# KiCad board signalmesh.kicad_pcb (continued)
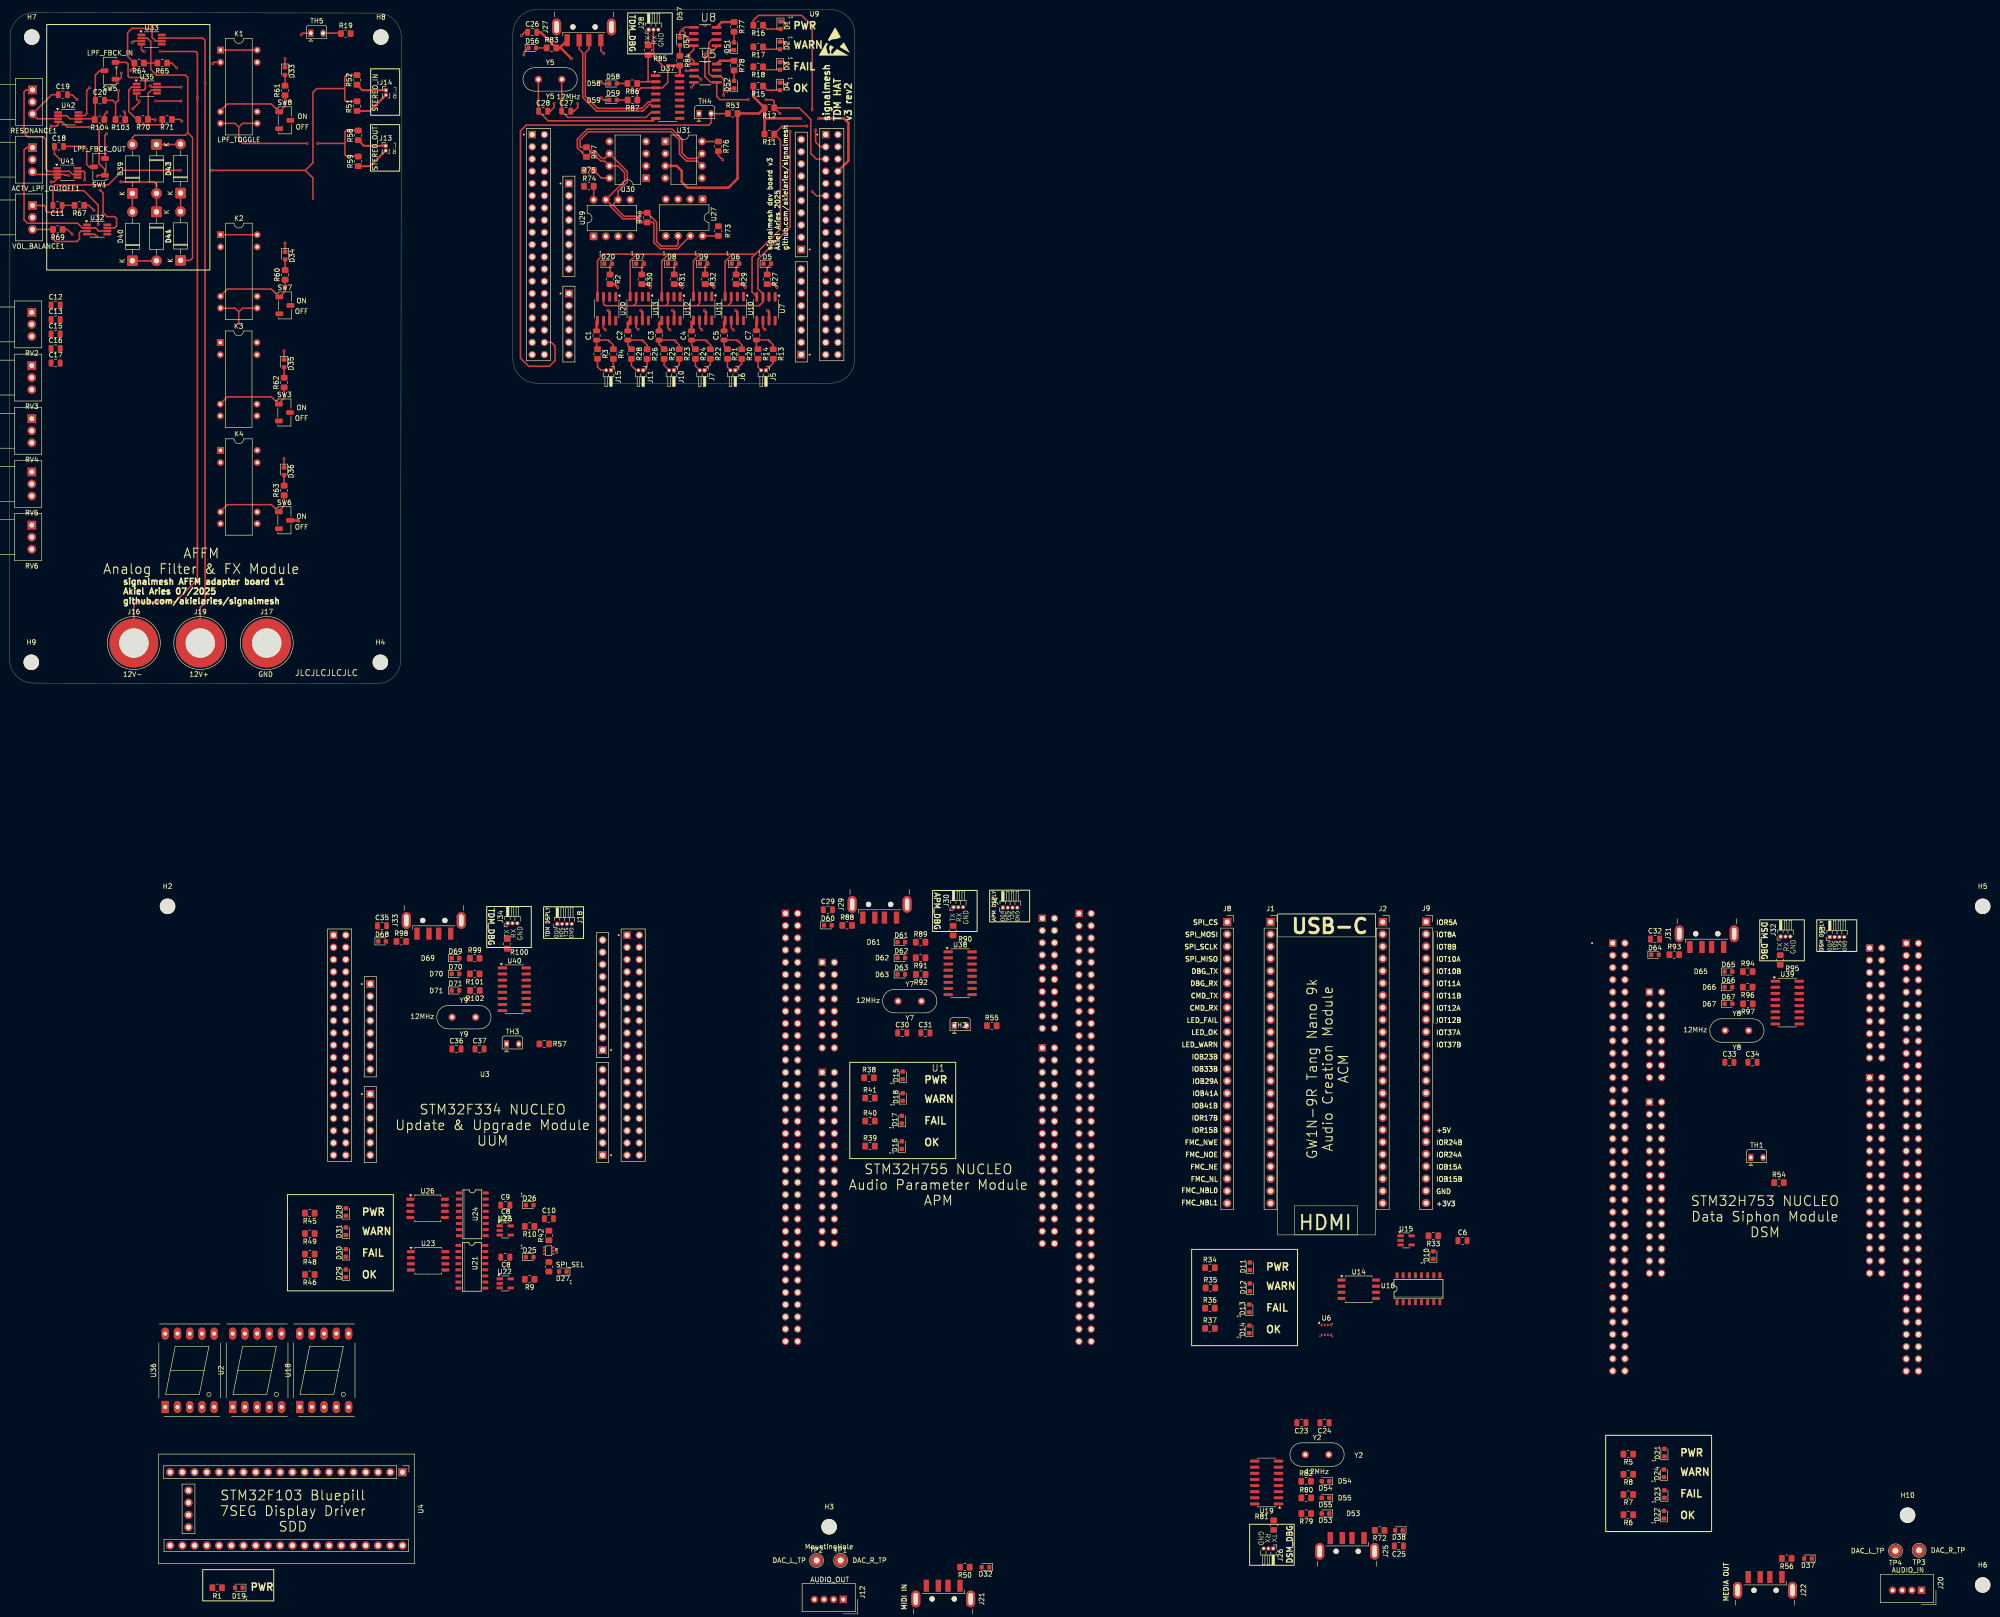
[diagram p0: board, top side]
## Nets (continued)
APM_VDD: C29.2 J4.1 J21.1 J29.1 R38.2 R50.2 R88.2 R89.2 SW3.2 SW6.2 SW7.2 SW8.2 U1.CN11_18 U29.3 U38.16
DSM_VDD: C32.2 J3.1 J22.1 J31.1 R5.2 R56.2 R93.2 R94.2 U17.CN11_18 U30.3 U39.16
TDM_VDD: C26.2 J18.1 J27.1 R11.2 R12.2 R15.2 R19.2 R27.2 R53.2 R54.2 R55.2 R57.2 R77.1 R78.1 R83.2 R84.2 U5.8 U6.8 U7.7 U8.8 U9.CN10_8 U31.3 U37.16
UUM_3v3: R42.1 U3.CN7_16 U21.1 U23.3 U23.7 U24.1 U26.3 U26.7 U28.5
UUM_VDD: C35.2 J33.1 R45.2 R98.2 R99.2 U3.CN7_18 U22.1 U22.3 U25.1 U25.3 U27.3 U40.16
Net-(C10-Pad1): C10.1 R42.2
Net-(C11-Pad1): C11.1 R67.2 VOL_BALANCE1.1
Net-(C12-Pad1): C12.1 RV2.1
Net-(C13-Pad1): C13.1 RV3.1
Net-(C15-Pad2): C15.2 RV4.3
Net-(C16-Pad1): C16.1 RV5.1
Net-(C16-Pad2): C16.2 RV6.1
Net-(C17-Pad2): C17.2 RV6.3
Net-(D1-A): D1.2 R16.1
Net-(D2-A): D2.2 R17.1
Net-(D3-A): D3.2 R18.1
Net-(D4-A): D4.2 R15.1
Net-(D5-A): D5.2 R27.1
Net-(D6-A): D6.2 R29.1
Net-(D7-A): D7.2 R30.1
Net-(D8-A): D8.2 R31.1
Net-(D9-A): D9.2 R32.1
Net-(D10-A): D10.2 R33.2
Net-(D11-A): D11.2 R34.1
Net-(D12-A): D12.2 R35.1
Net-(D13-A): D13.2 R36.1
Net-(D14-A): D14.2 R37.1
Net-(D15-A): D15.2 R38.1
Net-(D16-A): D16.2 R39.1
Net-(D17-A): D17.2 R40.1
Net-(D18-A): D18.2 R41.1
Net-(D19-A): D19.2 R1.1
Net-(D20-A): D20.2 R2.1
Net-(D21-A): D21.2 R5.1
Net-(D22-A): D22.2 R6.1
Net-(D23-A): D23.2 R7.1
Net-(D24-A): D24.2 R8.1
Net-(D25-A): D25.2 R9.2
Net-(D26-A): D26.2 R10.2
Net-(D27-A): D27.2 R43.2
Net-(D28-A): D28.2 R45.1
Net-(D29-A): D29.2 R46.1
Net-(D30-A): D30.2 R48.1
Net-(D31-A): D31.2 R49.1
Net-(D32-A): D32.2 R50.1
Net-(D33-A): D33.2 R61.2
Net-(D34-A): D34.2 R60.2
Net-(D35-A): D35.2 R62.2
Net-(D36-A): D36.2 R63.2
Net-(D37-A): D37.2 R56.1
Net-(D38-A): D38.2 R72.1
Net-(D39-A): D39.2 D44.1 R64.1 R65.2 U33.2
Net-(D39-K): D39.1 D40.2
Net-(D40-K): D40.1 D41.2
Net-(D41-K): D41.1 D42.2 R64.2 SW1.1 U33.6
Net-(D42-K): D42.1 D43.2
Net-(D43-K): D43.1 D44.2
Net-(D51-A): D51.2 R77.2
Net-(D52-A): D52.2 R78.2
Net-(D53-A): D53.2 R79.1
Net-(D54-A): D54.2 R82.2
Net-(D55-A): D55.2 R80.2
Net-(D56-A): D56.2 R83.1
Net-(D57-A): D57.2 R84.1
Net-(D58-A): D58.2 R86.2
Net-(D59-A): D59.2 R87.2
Net-(D60-A): D60.2 R88.1
Net-(D61-A): D61.2 R89.1
Net-(D62-A): D62.2 R91.2
Net-(D63-A): D63.2 R92.2
Net-(D64-A): D64.2 R93.1
Net-(D65-A): D65.2 R94.1
Net-(D66-A): D66.2 R96.2
Net-(D67-A): D67.2 R97.2
Net-(D68-A): D68.2 R98.1
Net-(D69-A): D69.2 R99.1
Net-(D70-A): D70.2 R101.2
Net-(D71-A): D71.2 R102.2
Net-(J5-Pin_1): J5.1 J5.2 R13.2 R14.2 U7.1 U7.2
Net-(J6-Pin_1): J6.1 J6.2 R20.2 R21.2 U10.1 U10.2
Net-(J7-Pin_1): J7.1 J7.2 R22.2 R24.2 U11.1 U11.2
Net-(J10-Pin_1): J10.1 J10.2 R23.2 R25.2 U12.1 U12.2
Net-(J11-Pin_1): J11.1 J11.2 R26.2 R28.2 U13.1 U13.2
Net-(J15-Pin_1): J15.1 J15.2 R3.2 R4.2 U20.1 U20.2
Net-(K2-Pad1): K2.1 K2.14
Net-(K3-Pad1): K3.1 K3.14
Net-(K4-Pad1): K4.1 K4.14
Net-(R19-Pad1): R19.1 TH5.2
Net-(RV3-Pad2): RV3.2 RV4.1
Net-(SW1-A): R70.1 SW1.3 U35.6
Net-(SW1-B): C18.2 SW1.2
Net-(U2-A): U2.7 U4.28
Net-(U2-B): U2.6 U4.27
Net-(U2-C): U2.4 U4.26
Net-(U2-D): U2.2 U4.25
Net-(U2-DP): U2.5 U4.16
Net-(U2-E): U2.1 U4.24
Net-(U2-F): U2.9 U4.23
Net-(U2-G): U2.10 U4.17
Net-(U9A-PA4): R57.1 TH3.2 U9.CN7_32
Net-(U9A-PB0): R55.1 TH2.2 U9.CN7_34
Net-(U9A-PC0/PB8): R54.1 TH1.2 U9.CN7_38
Net-(U9A-PC1/PB9): R53.1 TH4.2 U9.CN7_36
Net-(U14-CLK): U14.6 U16.4
Net-(U14-DI/IO_{0}): U14.5 U16.6
Net-(U14-DO/IO_{1}): U14.2 U16.10
Net-(U14-VCC): C6.1 R33.1 U14.8 U15.5
Net-(U14-~{CS}): U14.1 U16.2
Net-(U18-A): U4.36 U18.7
Net-(U18-B): U4.35 U18.6
Net-(U18-C): U4.34 U18.4
Net-(U18-D): U4.33 U18.2
Net-(U18-DP): U4.29 U18.5
Net-(U18-E): U4.32 U18.1
Net-(U18-F): U4.31 U18.9
Net-(U18-G): U4.30 U18.10
Net-(U19-XI): C24.1 U19.7 Y2.1
Net-(U19-XO): C23.1 U19.8 Y2.2
Net-(U21-1Y): U21.2 U23.1
Net-(U21-2Y): U21.4 U23.6
Net-(U21-3Y): U21.6 U23.5
Net-(U21-4Y): U21.10 U23.2
Net-(U22-VOUT): C8.1 R9.1 U22.5 U23.8
Net-(U24-1Y): U24.2 U26.1
Net-(U24-2Y): U24.4 U26.6
Net-(U24-3Y): U24.6 U26.5
Net-(U24-4Y): U24.10 U26.2
Net-(U25-VOUT): C9.1 R10.1 U25.5 U26.8
Net-(U27-Rs): R73.1 U27.8
Net-(U29-Rs): R74.1 U29.8
Net-(U30-Rs): R75.1 U30.8
Net-(U31-Rs): R76.1 U31.8
Net-(U32-+): R69.2 U32.3 VOL_BALANCE1.3
Net-(U32--): ACTV_LPF_CUTOFF1.1 U32.2 U32.6
Net-(U35--): R70.2 R71.2 U35.2
Net-(U36-A): U4.15 U36.7
Net-(U36-B): U4.14 U36.6
Net-(U36-C): U4.13 U36.4
Net-(U36-D): U4.12 U36.2
Net-(U36-DP): U4.8 U36.5
Net-(U36-E): U4.11 U36.1
Net-(U36-F): U4.10 U36.9
Net-(U36-G): U4.9 U36.10
Net-(U37-XI): C27.1 U37.7 Y5.1
Net-(U37-XO): C28.1 U37.8 Y5.2
Net-(U38-XI): C30.1 U38.7 Y7.1
Net-(U38-XO): C31.1 U38.8 Y7.2
Net-(U39-XI): C33.1 U39.7 Y8.1
Net-(U39-XO): C34.1 U39.8 Y8.2
Net-(U40-XI): C36.1 U40.7 Y9.1
Net-(U40-XO): C37.1 U40.8 Y9.2
Net-(U41-+): ACTV_LPF_CUTOFF1.3 C18.1 U41.3
Net-(U41--): RESONANCE1.1 U41.2 U41.6
Net-(U42-+): C19.1 RESONANCE1.3 U42.3

Pads without a net: ACTV_LPF_CUTOFF1 2; C12 2; C13 2; J1 12 13 14 15 16 17; J2 17 19 20 21 22; J8 12 13 14 15 16 17; J9 17 19 20 21 22; J12 1; J17 1; J20 1; J21 5; J22 5; J25 5; J27 5; J29 5; J31 5; J33 5; K1 9 13; K2 9 13; K3 9 13; K4 9 13; RESONANCE1 2; RV2 2; RV4 2; RV5 2; RV6 2; SW3 3; SW6 3; SW7 3; SW8 3; U1 CN7_1 CN7_2 CN7_3 CN7_4 CN7_5 CN7_6 CN7_7 CN7_8 CN7_9 CN7_10 CN7_11 CN7_12 CN7_13 CN7_14 CN7_15 CN7_16 CN7_17 CN7_18 CN7_19 CN7_20 CN8_1 CN8_2 CN8_3 CN8_4 CN8_5 CN8_6 CN8_7 CN8_8 CN8_9 CN8_10 CN8_11 CN8_12 CN8_13 CN8_14 CN8_15 CN8_16 CN9_1 CN9_2 CN9_3 CN9_4 CN9_5 CN9_6 CN9_7 CN9_8 CN9_9 CN9_10 CN9_11 CN9_12 CN9_13 CN9_14 CN9_15 CN9_16 CN9_17 CN9_18 CN9_19 CN9_20 CN9_21 CN9_22 CN9_23 CN9_24 CN9_25 CN9_26 CN9_27 CN9_28 CN9_29 CN9_30 CN10_1 CN10_2 CN10_3 CN10_4 CN10_5 CN10_6 CN10_7 CN10_8 CN10_9 CN10_10 CN10_11 CN10_12 CN10_13 CN10_14 CN10_15 CN10_16 CN10_17 CN10_18 CN10_19 CN10_20 CN10_21 CN10_22 CN10_23 CN10_24 CN10_25 CN10_26 CN10_27 CN10_28 CN10_29 CN10_30 CN10_31 CN10_32 CN10_33 CN10_34 CN11_5 CN11_6 CN11_7 CN11_9 CN11_10 CN11_11 CN11_12 CN11_13 CN11_14 CN11_15 CN11_16 CN11_17 CN11_21 CN11_23 CN11_24 CN11_25 CN11_26 CN11_27 CN11_28 CN11_29 CN11_30 CN11_31 CN11_33 CN11_34 CN11_35 CN11_36 CN11_37 CN11_38 CN11_39 CN11_40 CN11_41 CN11_42 CN11_43 CN11_44 CN11_45 CN11_46 CN11_48 CN11_50 CN11_52 CN11_54 CN11_55 CN11_56 CN11_57 CN11_58 CN11_59 CN11_61 CN11_64 CN11_65 CN11_66 CN11_67 CN11_68 CN11_69 CN11_70 CN12_1 CN12_2 CN12_7 CN12_8 CN12_9 CN12_10 CN12_13 CN12_15 CN12_16 CN12_17 CN12_18 CN12_19 CN12_20 CN12_21 CN12_22 CN12_23 CN12_24 CN12_25 CN12_26 CN12_27 CN12_28 CN12_29 CN12_30 CN12_31 CN12_32 CN12_33 CN12_35 CN12_36 CN12_37 CN12_38 CN12_39 CN12_40 CN12_41 CN12_42 CN12_43 CN12_44 CN12_45 CN12_46 CN12_47 CN12_48 CN12_49 CN12_50 CN12_51 CN12_52 CN12_53 CN12_54 CN12_55 CN12_56 CN12_57 CN12_58 CN12_59 CN12_60 CN12_62 CN12_63 CN12_64 CN12_65 CN12_66 CN12_67 CN12_68 CN12_69 CN12_70 CN12_71 CN12_72; U3 CN5_1 CN5_2 CN5_3 CN5_4 CN5_5 CN5_6 CN5_7 CN5_8 CN5_9 CN5_10 CN6_1 CN6_2 CN6_3 CN6_4 CN6_5 CN6_6 CN6_7 CN6_8 CN7_1 CN7_2 CN7_3 CN7_4 CN7_5 CN7_6 CN7_7 CN7_8 CN7_9 CN7_10 CN7_11 CN7_12 CN7_13 CN7_14 CN7_15 CN7_17 CN7_19 CN7_20 CN7_21 CN7_22 CN7_23 CN7_24 CN7_26 CN7_27 CN7_28 CN7_29 CN7_30 CN7_31 CN7_32 CN7_33 CN7_34 CN7_37 CN8_1 CN8_2 CN8_3 CN8_4 CN8_5 CN8_6 CN9_1 CN9_2 CN9_3 CN9_4 CN9_5 CN9_6 CN9_7 CN9_8 CN10_1 CN10_2 CN10_4 CN10_6 CN10_7 CN10_8 CN10_10 CN10_12 CN10_14 CN10_16 CN10_17 CN10_18 CN10_19 CN10_22 CN10_24 CN10_25 CN10_26 CN10_27 CN10_28 CN10_29 CN10_30 CN10_31 CN10_32 CN10_33 CN10_34 CN10_36 CN10_38; U4 1 2 3 4 5 19 20 21 22 37 38 40 41 42 43 44; U5 7; U6 2 3 6; U8 2 7; U9 CN5_1 CN5_2 CN5_3 CN5_4 CN5_5 CN5_6 CN5_7 CN5_8 CN5_9 CN5_10 CN6_1 CN6_2 CN6_3 CN6_4 CN6_5 CN6_6 CN6_7 CN6_8 CN7_1 CN7_2 CN7_3 CN7_4 CN7_5 CN7_6 CN7_7 CN7_8 CN7_9 CN7_10 CN7_11 CN7_12 CN7_13 CN7_14 CN7_15 CN7_16 CN7_17 CN7_18 CN7_19 CN7_20 CN7_21 CN7_22 CN7_23 CN7_24 CN7_25 CN7_26 CN7_27 CN7_28 CN7_29 CN7_30 CN7_31 CN7_33 CN7_35 CN7_37 CN8_1 CN8_2 CN8_3 CN8_4 CN8_5 CN8_6 CN9_1 CN9_2 CN9_3 CN9_4 CN9_5 CN9_6 CN9_7 CN9_8 CN10_1 CN10_2 CN10_4 CN10_7 CN10_10 CN10_13 CN10_15 CN10_16 CN10_17 CN10_18 CN10_19 CN10_21 CN10_22 CN10_23 CN10_24 CN10_25 CN10_26 CN10_27 CN10_28 CN10_29 CN10_30 CN10_31 CN10_32 CN10_33 CN10_36 CN10_38; U15 4; U16 12 13 15 16; U17 CN7_1 CN7_2 CN7_3 CN7_4 CN7_5 CN7_6 CN7_7 CN7_8 CN7_9 CN7_10 CN7_11 CN7_12 CN7_13 CN7_14 CN7_15 CN7_16 CN7_17 CN7_18 CN7_19 CN7_20 CN8_1 CN8_2 CN8_3 CN8_4 CN8_5 CN8_6 CN8_7 CN8_8 CN8_9 CN8_10 CN8_11 CN8_12 CN8_13 CN8_14 CN8_15 CN8_16 CN9_1 CN9_2 CN9_3 CN9_4 CN9_5 CN9_6 CN9_7 CN9_8 CN9_9 CN9_10 CN9_11 CN9_12 CN9_13 CN9_14 CN9_15 CN9_16 CN9_17 CN9_18 CN9_19 CN9_20 CN9_21 CN9_22 CN9_23 CN9_24 CN9_25 CN9_26 CN9_27 CN9_28 CN9_29 CN9_30 CN10_1 CN10_2 CN10_3 CN10_4 CN10_5 CN10_6 CN10_7 CN10_8 CN10_9 CN10_10 CN10_11 CN10_12 CN10_13 CN10_14 CN10_15 CN10_16 CN10_17 CN10_18 CN10_19 CN10_20 CN10_21 CN10_22 CN10_23 CN10_24 CN10_25 CN10_26 CN10_27 CN10_28 CN10_29 CN10_30 CN10_31 CN10_32 CN10_33 CN10_34 CN11_1 CN11_2 CN11_5 CN11_6 CN11_7 CN11_9 CN11_10 CN11_11 CN11_12 CN11_13 CN11_14 CN11_15 CN11_16 CN11_17 CN11_23 CN11_24 CN11_25 CN11_26 CN11_27 CN11_28 CN11_29 CN11_30 CN11_31 CN11_33 CN11_34 CN11_35 CN11_36 CN11_37 CN11_38 CN11_42 CN11_43 CN11_44 CN11_45 CN11_46 CN11_48 CN11_50 CN11_52 CN11_54 CN11_56 CN11_58 CN11_59 CN11_63 CN11_64 CN11_65 CN11_66 CN11_67 CN11_68 CN11_70 CN12_1 CN12_2 CN12_7 CN12_8 CN12_9 CN12_13 CN12_15 CN12_16 CN12_17 CN12_18 CN12_20 CN12_21 CN12_22 CN12_23 CN12_24 CN12_25 CN12_26 CN12_27 CN12_28 CN12_29 CN12_30 CN12_31 CN12_32 CN12_33 CN12_35 CN12_36 CN12_37 CN12_38 CN12_39 CN12_41 CN12_42 CN12_43 CN12_45 CN12_50 CN12_54 CN12_57 CN12_58 CN12_59 CN12_60 CN12_61 CN12_62 CN12_63 CN12_66 CN12_67 CN12_68 CN12_69 CN12_70 CN12_71 CN12_72; U19 4 9 10 11 12 13 14 15; U21 12 13 15 16; U22 4; U24 12 13 15 16; U25 4; U27 5; U29 5; U30 5; U31 5; U32 1 5 8; U33 1 5 8; U35 1 5 8; U37 4 9 10 11 12 13 14 15; U38 4 9 10 11 12 13 14 15; U39 4 9 10 11 12 13 14 15; U40 4 9 10 11 12 13 14 15; U41 1 5 8; U42 1 5 8; VOL_BALANCE1 2

## Via types
v1: diameter 0.6, hole 0.3, Top to Bottom, 104 vias
v2: diameter 0.6, hole 0.4, Top to Bottom, 4 vias

## Routing (per net, layer and track width the routed paths; a pad name or vN(x,y) marks a point on that pad's centre or on a via; arc(x,y) is an arc through that point)
5V_TDM: length 13.7
  Top w0.5: U10.5 148.39,75.23 C5.2 ; C2.2 128.39,74.94 U13.5 ; U11.5 141.64,75.07 C4.2 ; C1.2 121.9,75.21 U20.5 ; C7.2 155.1,75.3 U7.5 ; U12.5 134.89,74.85 C3.2
/AFFM/AFFM_filters/LPFs/12V+: length 186.5
  Top w0.3: U32.7 21.86,94.67 22.2,95.01 22.2,96.61 21.8,97.01 20.2,97.01 19.4,97.81 19.4,101.91 v1(18.8,102.51) ; U41.7 15.39,106.42 15.6,106.21 v1(15.6,104.61) ; J19.1 39.6,15.81 40.6,16.81 40.6,133.61 40.1,134.11 U33.7 ; 35.49,123.92 U35.7 29.49,123.92 v1(29.2,124.21) ; U42.7 15.58,117.99 16,118.41 16,123.21 v1(16.6,123.81)
  In1.Cu w0.3: v1(21.2,124.21) v1(29.2,124.21) ; 40.55,124.66 39.8,123.91 v1(35.6,123.91) ; v1(18.8,102.51) 18.4,102.91 16.3,102.91 15.6,103.61 v1(15.6,104.61)
  In2.Cu w0.3: v1(21.2,124.21) 20.8,123.81 v1(16.6,123.81)
  vias: v1(40.6,124.71)
/AFFM/AFFM_filters/LPFs/12V-: length 218.4
  Top w0.3: 39,121.01 39,21.61 34.4,17.01 26.5,17.01 25.8,16.31 J16.1 ; 39,121.01 v1(39,121.71) ; 39,121.01 39,131.01 38.7,131.31 v2(31.3,131.31) ; 26.38,122.51 26.38,121.34 26.7,121.01 ; v2(28,131.31) 27.7,131.31 27.38,131.64 U33.4 ; v1(25.6,119.41) 27,120.81 v2(27,121.01) ; U41.4 9.89,104.9 9.2,104.21 v1(8.6,104.21) ; v1(10.2,102.41) 15.4,102.41 18.4,99.41 v1(18.4,95.41) ; v1(8.6,115.81) 9.8,115.81 10.06,116.07 U42.4 10.92,116.69 12,115.61 v1(16.6,115.61) ; U32.4 17.64,93.37 v1(18.1,92.91) ; v2(30.3,121.01) v1(35.6,121.01)
  In1.Cu w0.3: v1(10.2,102.41) 9.4,102.41 8.6,103.21 v1(8.6,104.21) 8.2,104.61 8.2,115.41 v1(8.6,115.81) ; v1(18.1,92.91) 18.4,93.21 v1(18.4,95.41) ; v2(28,131.31) v2(31.3,131.31) ; v1(39,121.71) 38.3,121.01 v1(35.6,121.01) ; v2(27,121.01) v2(30.3,121.01)
  In2.Cu w0.3: v1(25.6,119.41) 25.6,117.41 25.2,117.01 18.8,117.01 17.4,115.61 v1(16.6,115.61)
GND: length 127.2
  Top w0.3: v1(161.38,128.61) 160.74,129.25 160,129.25 ; 33.75,117.21 35.38,117.21 v1(35.75,116.84) ; 57.2,89.71 v1(57.2,91.51) ; v1(34.7,127.91) 33.7,128.91 R65.1 ; v1(148.1,108.81) 147.2,109.71 R76.2 ; C19.2 13,122.34 v1(14,121.34) ; R25.1 134.89,70.51 C3.1 138.08,71.36 v1(138.3,71.14) 139.1,70.34 139.1,69.49 ; v1(42.2,128.81) 42.46,129.07 K1.2 ; v1(149,123.01) 149.63,123.64 D52.1 ; R69.1 12,94.34 v1(13,93.34) ; R14.1 155.1,69.79 C7.1 157.57,71.39 v1(157.8,71.16) 158.6,70.36 158.6,69.51 ; v1(106.3,134.61) 107,135.31 C26.1 ; v1(122.9,121.71) 123.4,121.21 D59.1 ; U5.4 142.14,124.45 v1(141.6,123.91) ; v1(123.4,130.91) 122.8,131.51 J27.4 ; v1(150.34,73.47) 149.9,73.91 149.9,75.35 ; v1(137.14,73.47) 136.7,73.91 136.7,75.35 ; 139.2,134.17 139.2,135.31 v1(139.7,135.81) ; U8.4 142.1,131.71 v1(140.9,130.51) 142.14,129.27 U5.1 ; D56.1 106.8,131.1 v1(106.8,130.61) ; R24.1 141.64,70.26 C4.1 144.58,71.36 v1(144.8,71.14) 145.6,70.34 145.6,69.49 ; TH5.1 60.88,135.11 v1(60.56,134.79) ; v1(156.9,73.51) 156.46,73.95 U7.6 ; U8.3 141.02,133.79 140.3,134.51 140.3,135.21 v1(139.7,135.81) ; v1(118,120.51) 118,119.71 117.2,118.91 116.65,118.91 ; v1(161.38,136.91) 160.74,137.55 D1.1 ; v1(122.83,125.11) 123.33,124.61 124.47,124.61 ; v1(123.74,73.47) 123.3,73.91 123.3,75.35 ; v1(143.74,73.47) 143.3,73.91 143.3,75.35 ; U8.1 140.22,136.33 v1(139.7,135.81) ; v1(17.5,98.34) 16.5,99.34 R67.1 ; C28.2 112.3,118.91 113.1,119.71 v1(113.1,120.51) ; v1(140.5,127.31) 142,127.31 U5.2 ; 57,44.91 v1(57,46.71) ; v1(161.4,132.61) 160.66,133.35 D2.1 ; R21.1 148.39,70.16 C5.1 151.08,71.36 v1(151.3,71.14) 152.1,70.34 152.1,69.49 ; R28.1 128.39,70.21 C2.1 131.38,71.36 v1(131.6,71.14) 132.4,70.34 132.4,69.49 ; v1(23.8,118.81) 24,118.61 R103.1 ; v1(20.2,118.71) 19.67,118.19 R104.1 ; 150.45,131.63 149.61,131.63 v1(148.99,131) ; 57,67.31 v1(57,69.11) ; 130.1,75.45 130.1,74.01 v1(130.54,73.57) ; v1(143.6,125.51) 142.97,126.15 142.14,126.15 ; R3.1 121.9,69.66 C1.1 124.35,71.36 v1(124.6,71.11) 125.4,70.31 R4.1 ; D33.1 v1(57.2,129.81) ; 160,124.95 160.54,124.95 v1(161.38,124.11)
/AFFM/AFFM_filters/BPF_TOGGLE: length 17.4
  Top w0.3: 55.82,58.11 57.02,59.31 57.02,61.56 ; 56.02,57.91 54.37,59.56 45.22,59.56 43.82,58.16
/AFFM/AFFM_filters/BSF_TOGGLE: length 17.4
  Top w0.3: 55.82,35.71 57.02,36.91 57.02,39.16 ; 43.82,35.76 45.22,37.16 54.37,37.16 56.02,35.51
/AFFM/AFFM_filters/HPF_OUT: length 10.8
  Top w0.3: 51.42,77.97 48.36,77.97 47.6,77.21 ; 43.8,77.97 46.84,77.97 47.6,77.21 ; 47.6,77.21 47.6,74.61
/AFFM/AFFM_filters/HPF_TOGGLE: length 17.4
  Top w0.3: 43.82,80.56 45.22,81.96 54.37,81.96 SW7.1 57.22,81.51 57.22,83.76
/AFFM/AFFM_filters/LPF_IN: length 45.3
  Top w0.3: R103.2 22,120.59 ; 22,120.59 21.42,121.17 C20.2 ; 22,120.59 22.6,121.19 v1(22.6,123.21) ; K1.1 K1.14
  In2.Cu w0.3: K1.1 41.6,131.61 41.2,131.21 41.2,126.61 41,126.41 24.4,126.41 24.2,126.21 24.2,124.21 24,124.01 22.8,124.01 22.6,123.81 v1(22.6,123.21)
/AFFM/AFFM_filters/LPF_OUT: length 43.6
  Top w0.3: 47.6,115.61 46.84,116.37 K1.7 43.96,116.21 ; 47.6,115.61 47.6,113.01 48.4,112.21 v1(61.8,112.21) ; 47.6,115.61 48.36,116.37 K1.8 ; 72.2,109.59 69.95,109.59 69.65,109.89 69.65,112.21 ; 69.65,112.21 69.65,114.64 70,114.99 72.2,114.99 ; 69.65,112.21 v1(64,112.21)
  In1.Cu w0.3: v1(64,112.21) v1(61.8,112.21)
/AFFM/AFFM_filters/LPF_TOGGLE: length 17.6
  Top w0.3: K1.6 43.8,119.01 45.2,120.41 54.35,120.41 SW8.1 57.2,119.96 R61.1
/AFFM/AFFM_filters/LPFs/CFBACK_OUT: length 12.5
  Top w0.3: U33.3 25.75,133.46 v1(25.45,133.16) ; SW5.1 22.85,125.56 23.2,125.91 v1(23.2,126.81)
  In1.Cu w0.3: v1(23.2,126.81) 23.2,132.41 23.6,132.81 25.1,132.81 v1(25.45,133.16)
/AFFM/AFFM_filters/LPFs/Fback_in: length 19.5
  Top w0.3: U42.2 11.85,117.99 12.5,117.34 U42.6 17.5,117.34 R104.2 17.8,117.29 C20.1 17.8,126.41 18.7,127.31 SW5.2
/AFFM/AFFM_filters/LPFs/RFBACK_OUT: length 13
  Top w0.3: U35.3 27.86,123.27 28.2,123.61 28.2,125.51 27.8,125.91 24.9,125.91 24.6,126.21 24.6,128.71 24.25,129.06 SW5.3
/AFFM/AFFM_filters/MONO_IN: length 98.3
  Top w0.3: 72.15,126.36 69.95,126.36 69.6,126.01 69.6,123.61 ; 69.6,123.61 63.8,123.61 63,122.81 63,108.21 61.4,106.61 ; 69.6,123.61 69.6,121.26 69.9,120.96 R51.2 ; 63,100.61 63,105.01 61.4,106.61 ; 61.4,106.61 v1(41.9,106.61) ; C11.2 9,103.21 9.4,103.61 20.5,103.61 23.5,106.61 v1(35.5,106.61)
  In1.Cu w0.3: v1(41.9,106.61) v1(35.5,106.61)
/APM_DAC_OUT_L: length 7.4
  Top w0.4: R51.1 74.85,118.96 J14.2
/APM_DAC_OUT_R: length 6.5
  Top w0.4: 72.15,124.36 73.25,123.26 J14.1
/CAN+: length 78.5
  Top w0.3: U31.7 142.82,109.09 140.81,109.09 139.68,110.23 139.68,113.13 137.61,115.19 119.99,115.19 117.93,113.13 117.93,111.29 R47.2 119.9,109.41 120.62,110.14 121.19,110.14 122.79,108.54 123.59,108.54 U30.7 126.35,107.54 127.72,106.16 127.72,104.42 U29.7 124.82,99.53 124.82,99.1 127.39,96.54 130.62,96.54 131.35,95.81 R44.1 133.62,95.81 133.82,95.61 133.82,91.61 135.1,90.34 138.72,90.34 U27.7
/CAN-: length 74.9
  Top w0.3: U27.6 138.84,91.23 138.49,90.89 135.32,90.89 134.38,91.84 134.38,95.84 R44.2 131.35,97.81 130.62,97.09 127.61,97.09 125.38,99.33 125.38,99.53 U29.6 126.37,102.29 128.28,104.19 128.28,106.39 U30.6 123.59,109.09 123.01,109.09 121.41,110.69 120.62,110.69 119.9,111.41 R47.1 118.58,111.41 118.47,111.51 118.47,112.9 120.21,114.64 137.39,114.64 139.12,112.9 139.12,110 140.59,108.54 142.82,108.54 U31.6
/DSM_DAC_IN_L: length 6.2
  Top w0.4: R58.1 73.57,111.71 J13.1
/DSM_DAC_IN_R: length 7
  Top w0.4: J13.2 74.88,107.49 R59.1
/TDM/7SDD_VDD: length 9.8
  Top w0.5: U20.7 124.63,77.18 v1(124.3,77.51) ; R2.2 125.63,82.98 v1(126.3,82.31)
  In1.Cu w0.5: v1(126.3,82.31) 124.3,80.31 v1(124.3,77.51)
/TDM/ACM_VDD: length 10.2
  Top w0.5: 151.13,75.39 151.13,77.18 v1(150.8,77.51) ; v1(152.8,82.31) 152.13,82.98 150.74,82.98
  In1.Cu w0.5: v1(152.8,82.31) 150.8,80.31 v1(150.8,77.51)
/TDM/APM_VDD: length 10
  Top w0.5: R30.2 132.43,82.98 v1(133.1,82.31) ; 131.43,75.39 131.43,77.18 v1(131.1,77.51)
  In1.Cu w0.5: v1(133.1,82.31) 131.1,80.31 v1(131.1,77.51)
/TDM/DSM_VDD: length 10.2
  Top w0.5: v1(146.3,82.31) 145.63,82.98 144.24,82.98 ; 144.63,75.39 144.63,77.18 v1(144.3,77.51)
  In1.Cu w0.5: v1(146.3,82.31) 144.3,80.31 v1(144.3,77.51)
/TDM/TDM_I2C1_SCL: length 166.3
  Top w0.3: 122.1,80.5 122.1,87.93 123.38,89.21 130.28,89.21 ; 130.28,89.21 128.9,87.83 128.9,80.4 ; 130.28,89.21 136.87,89.21 ; U10.4 148.61,87.72 149.99,89.1 ; R11.1 158.8,113.61 v1(158,112.81) ; R11.1 160.46,115.81 v1(165.6,115.81) ; R11.1 160.1,112.85 160.1,94.41 154.9,89.21 ; 136.87,89.21 143,89.21 ; 136.87,89.21 135.45,87.79 U12.4 ; 143,89.21 154.9,89.21 ; 143,89.21 143.4,89.21 142.03,87.84 U11.4 ; 154.9,89.21 154.2,88.51 154.2,81.33 U7.4 ; v1(148.3,122.21) 148.3,125.61 147.74,126.18 U5.6 145.84,126.18 145.2,126.81 145.2,133.11 145.88,133.79 U8.6 ; v1(167.4,115.01) 167.4,112.51 168.4,111.51 U9.CN10_3
  In1.Cu w0.3: v1(158,112.81) 157.4,112.21 150,112.21 148.3,113.91 v1(148.3,122.21) ; v1(167.4,115.01) 166.6,115.81 v1(165.6,115.81)
/TDM/TDM_I2C1_SDA: length 135.2
  Top w0.3: 142.8,78.51 136.3,78.51 ; 142.8,78.51 143.3,79.01 U11.3 ; 142.8,78.51 149.2,78.51 ; 136.3,78.51 129.6,78.51 ; 136.3,78.51 136.72,78.93 U12.3 ; R12.1 164,119.61 166.4,117.21 166.4,110.11 167.54,108.97 U9.CN10_5 ; R12.1 v1(160,118.41) ; R12.1 158.8,120.91 158.4,121.31 v1(157.1,121.31) ; v1(153.4,121.31) 147.5,121.31 146.86,121.95 U5.5 145.6,124.91 144.4,126.11 v1(144.4,130.81) ; U8.5 146.82,132.24 v1(146,131.41) ; 129.6,78.51 123.7,78.51 123.36,78.85 U20.3 ; 129.6,78.51 130.14,79.05 U13.3 ; 149.2,78.51 155.7,78.51 156.46,79.27 U7.3 156.46,80.95 155.4,82.01 155.4,88.11 162.1,94.81 v1(162.1,114.71) ; 149.2,78.51 149.88,79.19 U10.3
  In1.Cu w0.3: v1(162.1,114.71) 160.5,116.31 160.5,117.91 v1(160,118.41) ; v1(157.1,121.31) v1(153.4,121.31) ; v1(144.4,130.81) 145,131.41 v1(146,131.41)
/TDM/TDM_LED_OK: length 52.1
  Top w0.3: R16.2 154.47,137.79 155.5,138.81 164.5,138.81 166.7,136.61 v1(166.7,119.21) ; U9.CN10_11 167.56,101.35 v1(166.7,102.21)
  In2.Cu w0.3: v1(166.7,102.21) v1(166.7,119.21)
/TDM/UUM_VDD: length 9.8
  Top w0.5: v1(137.7,77.51) 138.03,77.18 138.03,75.39 ; v1(139.7,82.31) 139.03,82.98 R31.2
  In1.Cu w0.5: v1(139.7,82.31) 137.7,80.31 v1(137.7,77.51)
/TDM_DBG_RX: length 21.1
  Top w0.3: R87.1 130.37,122.98 131.15,123.76 U37.3 135.55,123.76 136.7,124.91 136.7,127.31 133.72,130.29 J28.2
/TDM_DBG_TX: length 9.7
  Top w0.3: R85.2 132.62,125.31 132.9,125.03 ; 132.9,125.03 130.7,125.03 R86.1 ; 132.9,125.03 U37.2
/USB_debug_TDM/D+: length 28.3
  Top w0.3: 119.57,131.01 119.57,122.03 122.11,119.49 131.29,119.49 132.66,120.86 133.16,120.86 133.53,121.22 U37.5 ; 119.57,131.06 120.3,131.79 J27.3
/USB_debug_TDM/D-: length 29.2
  Top w0.3: 119.03,131.06 118.3,131.79 J27.2 ; U37.6 133.53,119.95 133.16,120.31 132.89,120.31 131.51,118.94 121.89,118.94 119.03,121.8 119.03,131.01
/USB_debug_TDM/DBG_TX: length 3.3
  Top w0.3: J28.1 132.62,135.75 R85.1
APM_VDD: length 2
  Top w0.5: 60.1,33.65 59.84,33.91 SW6.2
TDM_VDD: length 134.1
  Top w0.5: U9.CN10_8 174.2,108.59 174.2,116.51 173.3,117.41 v1(168,117.41) ; U7.7 157.73,77.18 v1(157.4,77.51) ; C26.2 110.3,135.31 R83.2 ; R12.2 154.47,121.94 R15.2 ; R12.2 155.62,118.43 R53.2 151.19,104.9 149.3,103.01 140.8,103.01 139.6,104.21 139.6,106.51 138.57,107.54 U31.3 ; R12.2 156.8,117.31 ; R83.2 114.45,132.06 v1(116.7,129.81) ; R83.2 114.2,132.06 J27.1 ; R77.1 147.92,137.43 U8.8 ; U37.16 139.2,126.35 R84.2 v1(136.7,128.41) ; U5.8 147.53,129.39 R78.1 ; R27.2 158.73,82.98 v1(159.4,82.31) ; 156.8,117.31 R11.2 ; 156.8,117.31 156.9,117.41 v1(164.3,117.41)
  In1.Cu w0.5: v1(116.7,129.81) 118.1,128.41 v1(136.7,128.41) ; v1(159.4,82.31) 157.4,80.31 v1(157.4,77.51) ; v1(168,117.41) v1(164.3,117.41)
Net-(C11-Pad1): length 11
  Top w0.3: R67.2 C11.1 10.9,98.31 10.5,97.91 7.8,97.91 7.5,98.21 7.5,99.01 7.2,99.31 4.78,99.31 VOL_BALANCE1.1
Net-(D1-A): length 4
  Top w0.3: D1.2 157.26,135.97 R16.1
Net-(D2-A): length 3.7
  Top w0.3: D2.2 156.96,131.77 R17.1
Net-(D3-A): length 3.8
  Top w0.3: D3.2 157.07,127.53 R18.1
Net-(D4-A): length 3.9
  Top w0.3: D4.2 157.32,123.27 R15.1
Net-(D5-A): length 2.6
  Top w0.3: D5.2 157.34,86.42 R27.1
Net-(D6-A): length 2.5
  Top w0.3: D6.2 150.91,86.6 R29.1
Net-(D7-A): length 2.4
  Top w0.3: D7.2 131.29,86.81 R30.1
Net-(D8-A): length 2.4
  Top w0.3: R31.1 138.03,86.94 D8.2
Net-(D9-A): length 2.4
  Top w0.3: R32.1 144.47,86.77 D9.2
Net-(D20-A): length 2.4
  Top w0.3: R2.1 124.7,86.82 D20.2
Net-(D33-A): length 2.2
  Top w0.3: R61.2 D33.2
Net-(D34-A): length 2.2
  Top w0.3: D34.2 R60.2
Net-(D35-A): length 2.2
  Top w0.3: 57.02,65.91 57.02,63.71
Net-(D36-A): length 2.2
  Top w0.3: 57.02,43.11 57.02,40.91
Net-(D39-A): length 73.2
  Top w0.3: D44.1 37.5,87.91 38,88.41 38,113.41 37,114.41 ; 29.3,128.91 29.3,127.61 30.5,126.41 36.5,126.41 37,125.91 37,114.41 ; 29.3,128.91 29.3,133.41 28.6,134.11 U33.2 ; 29.3,128.91 R64.1 ; 29.3,128.91 R65.2 ; D39.2 25.5,113.41 26,113.91 36.5,113.91 37,114.41
Net-(D39-K): length 3.8
  Top w0.3: D40.2 D39.1
Net-(D40-K): length 5
  Top w0.3: D40.1 D41.2
Net-(D41-K): length 67.1
  Top w0.3: v1(23.1,104.21) 30,104.21 30.5,103.71 D42.2 D41.1 ; v1(18.2,105.41) 18.38,105.59 SW1.1 19.8,106.81 18.6,108.01 v1(18.6,115.41) ; v1(25.2,127.41) 25.9,128.11 R64.2 24.5,130.31 24.5,135.21 25.4,136.11 29.6,136.11 29.6,134.21 30.35,133.46 U33.6
  In1.Cu w0.3: v1(23.1,104.21) 18.4,104.21 18.2,104.41 v1(18.2,105.41) ; v1(18.6,115.41) 18.6,124.61 22,128.01 v1(22.2,128.01)
  In2.Cu w0.3: v1(22.2,128.01) 24.6,128.01 v1(25.2,127.41)
Net-(D42-K): length 5
  Top w0.3: D42.1 35.42,111.99 D43.2
Net-(D43-K): length 3.8
  Top w0.3: D44.2 D43.1
Net-(D51-A): length 2.2
  Top w0.3: R77.2 150.46,133.21 D51.2
Net-(D52-A): length 2.2
  Top w0.3: R78.2 150.46,127.38 D52.2
Net-(D56-A): length 2.2
  Top w0.3: R83.1 D56.2
Net-(D57-A): length 2.2
  Top w0.3: R84.1 D57.2
Net-(D58-A): length 2.2
  Top w0.3: D58.2 R86.2
Net-(D59-A): length 2.3
  Top w0.3: R87.2 128.37,121.21 D59.2
Net-(J5-Pin_1): length 5.6
  Top w0.3: J5.2 155.43,65.75 R14.2 ; R13.2 158.59,66.59 J5.1
Net-(J6-Pin_1): length 5.6
  Top w0.3: J6.1 152.04,66.41 R20.2 ; R21.2 149.09,65.71 J6.2
Net-(J7-Pin_1): length 5.6
  Top w0.3: J7.1 145.54,66.29 R22.2 ; R24.2 142.44,65.99 J7.2
Net-(J10-Pin_1): length 5.6
  Top w0.3: J10.2 135.94,66.11 R25.2 ; J10.1 139.09,66.21 R23.2
Net-(J11-Pin_1): length 5.9
  Top w0.3: J11.1 132.4,65.89 R26.2 ; J11.2 130.12,65.09 129.14,66.07 R28.2
Net-(J15-Pin_1): length 6.3
  Top w0.3: J15.1 125.4,65.59 R4.2 ; J15.2 122.82,65.09 122.1,65.81 R3.2
Net-(K2-Pad1): length 7.6
  Top w0.3: K2.1 K2.14
Net-(R19-Pad1): length 3.7
  Top w0.3: R19.1 68.73,135.11 TH5.2
Net-(SW1-A): length 27.1
  Top w0.3: SW1.3 19.8,113.89 v1(20.12,114.22) ; v1(30.25,117.09) 30.13,117.21 28.78,117.21 28.78,122.63 29.42,123.27 U35.6
  In1.Cu w0.3: v1(30.25,117.09) 30.6,116.74 30.6,115.33 30.11,114.84 20.75,114.84 v1(20.12,114.22)
Net-(SW1-B): length 10
  Top w0.3: C18.2 15.5,111.59 16,111.09 16,107.84 16.5,107.34 SW1.2
Net-(U9A-PC1/PB9): length 106.8
  Top w0.3: 149.17,118.41 TH4.2 145.7,116.51 145.2,116.01 107.3,116.01 106.1,114.81 106.1,67.61 107.8,65.91 112.1,65.91 113.3,67.11 113.3,70.11 112.54,70.87 U9.CN7_36
Net-(U27-Rs): length 3.3
  Top w0.3: R73.1 143.94,93.01 U27.8
Net-(U29-Rs): length 2.8
  Top w0.3: R74.1 121.3,100.54 U29.8
Net-(U30-Rs): length 4
  Top w0.3: U30.8 122.91,105 R75.1
Net-(U31-Rs): length 3.4
  Top w0.3: U31.8 143.82,112.61 R76.1
Net-(U32-+): length 15.2
  Top w0.3: VOL_BALANCE1.3 R69.2 9,92.34 9.5,91.84 14,91.84 14.5,92.34 14.5,93.67 14.85,94.02 U32.3
Net-(U32--): length 34.7
  Top w0.3: ACTV_LPF_CUTOFF1.1 3.5,111.34 3,110.84 3,96.34 3.72,95.63 14.12,95.63 15.08,94.67 U32.2 17.85,94.67 18.5,94.02 U32.6
Net-(U35--): length 16.6
  Top w0.3: 31.75,117.84 31.75,116.34 31.5,116.09 27,116.09 26.78,116.31 26.78,117.21 26.38,117.21 24.75,118.84 24.75,123.34 25.33,123.92 U35.2
Net-(U37-XI): length 27.2
  Top w0.3: 114.69,118.95 C27.1 ; C27.1 114.65,125.46 Y5.1 ; C27.1 115.95,117.61 132.2,117.61 133.27,118.68 U37.7
Net-(U37-XO): length 32.1
  Top w0.3: U37.8 133.7,116.91 111.85,116.91 C28.1 109.82,118.94 Y5.2 ; 109.85,125.47 109.81,125.51
Net-(U41-+): length 15
  Top w0.3: ACTV_LPF_CUTOFF1.3 5.33,105.77 U41.3 11.33,105.77 11.5,105.59 v1(12.25,105.59) ; v1(10.5,108.84) 9.3,110.04 C18.1
  In1.Cu w0.3: v1(12.25,105.59) 11.75,106.09 11.75,107.59 v1(10.5,108.84)
Net-(U41--): length 28.8
  Top w0.3: U41.6 13.08,105.77 12.42,106.42 U41.2 7.92,106.42 7.5,106.84 7.5,113.09 7,113.59 3.75,113.59 3,114.34 3,122.91 3.43,123.34 RESONANCE1.1
Net-(U42-+): length 12.7
  Top w0.3: U42.3 5.75,117.34 RESONANCE1.3 8.75,122.34 C19.1

## Copper pours and planes (outline as drawn; the poured copper is in the pictures)
GND on Bottom: 3.5,138.91 3,138.41 1,135.41 1,3.41 3,0.91 78,0.91 80.5,3.41 80.5,136.41 78,138.41 77,138.91
GND on Bottom: 105,67.54 105.23,65.48 107.34,63.16 109.8,62.91 169.9,62.91 172.79,63.47 174.75,66.41 175,68.91 175,135.91 174,137.91 171.5,139.41 107.95,139.41 107,138.91 106.5,138.46 106,137.96 105,136.41

## Text on the board
B.Silkscreen: JLCJLCJLCJLC | STM32F446 NUCLEO / Telemetry & Debug Module / TDM
F.Fab: C8 | R10 | LED_FAIL | LED_OK | LED_PWR | LED_WARN
F.Silkscreen: VDD | SDA | SCL | GND | TDM DSPLY | APM DSPLY | DSM DSPLY | TX | RX | L | R | ON | OFF | U22 | C8 | IOR5A | IOT8A | IOT8B | IOT10A | IOT10B | IOT11A | IOT11B | IOT12A | IOT12B | IOT37A | IOT37B | +5V | IOR24B | IOR24A | IOB15A | IOB15B | +3V3 | SPI_CS | SPI_MOSI | SPI_SCLK | SPI_MISO | DBG_TX | DBG_RX | CMD_TX | CMD_RX | LED_FAIL | LED_OK | LED_WARN | IOB23B | IOB33B | IOB29A | IOB41A | IOB41B | IOR17B | IOR15B | FMC_NWE | FMC_NOE | FMC_NE | FMC_NL | FMC_NBL0 | FMC_NBL1 | signalmesh dev board v3 / Akiel Aries 2025 / github.com/akielaries/signalmesh | MIDI IN | MEDIA OUT | DSM_DBG | TDM_DBG | APM_DBG | signalmesh AFFM adapter board v1 / Akiel Aries 07/2025 / github.com/akielaries/signalmesh | JLCJLCJLCJLC | signalmesh / TDM HAT / v3 rev2 | PWR | WARN | FAIL | OK | AFFM / Analog Filter & FX Module | STM32F103 Bluepill / 7SEG Display Driver / SDD | STM32F334 NUCLEO / Update & Upgrade Module / UUM | STM32H755 NUCLEO / Audio Parameter Module / APM | STM32H753 NUCLEO / Data Siphon Module / DSM | GW1N-9R Tang Nano 9k / Audio Creation Module / ACM | HDMI | USB-C
